# Altium PCB controller_V1.3.1.PcbDoc (part 5 of 7)
Units mm, origin at the board's own origin, x right, y up, seen from the top; angles counter-clockwise.
Board outline 244 x 150 mm, 2 copper layers (Top Layer, Bottom Layer), stack 1.98 mm thick; 438 components, 367 nets, 1493 pads, 9629 vias.
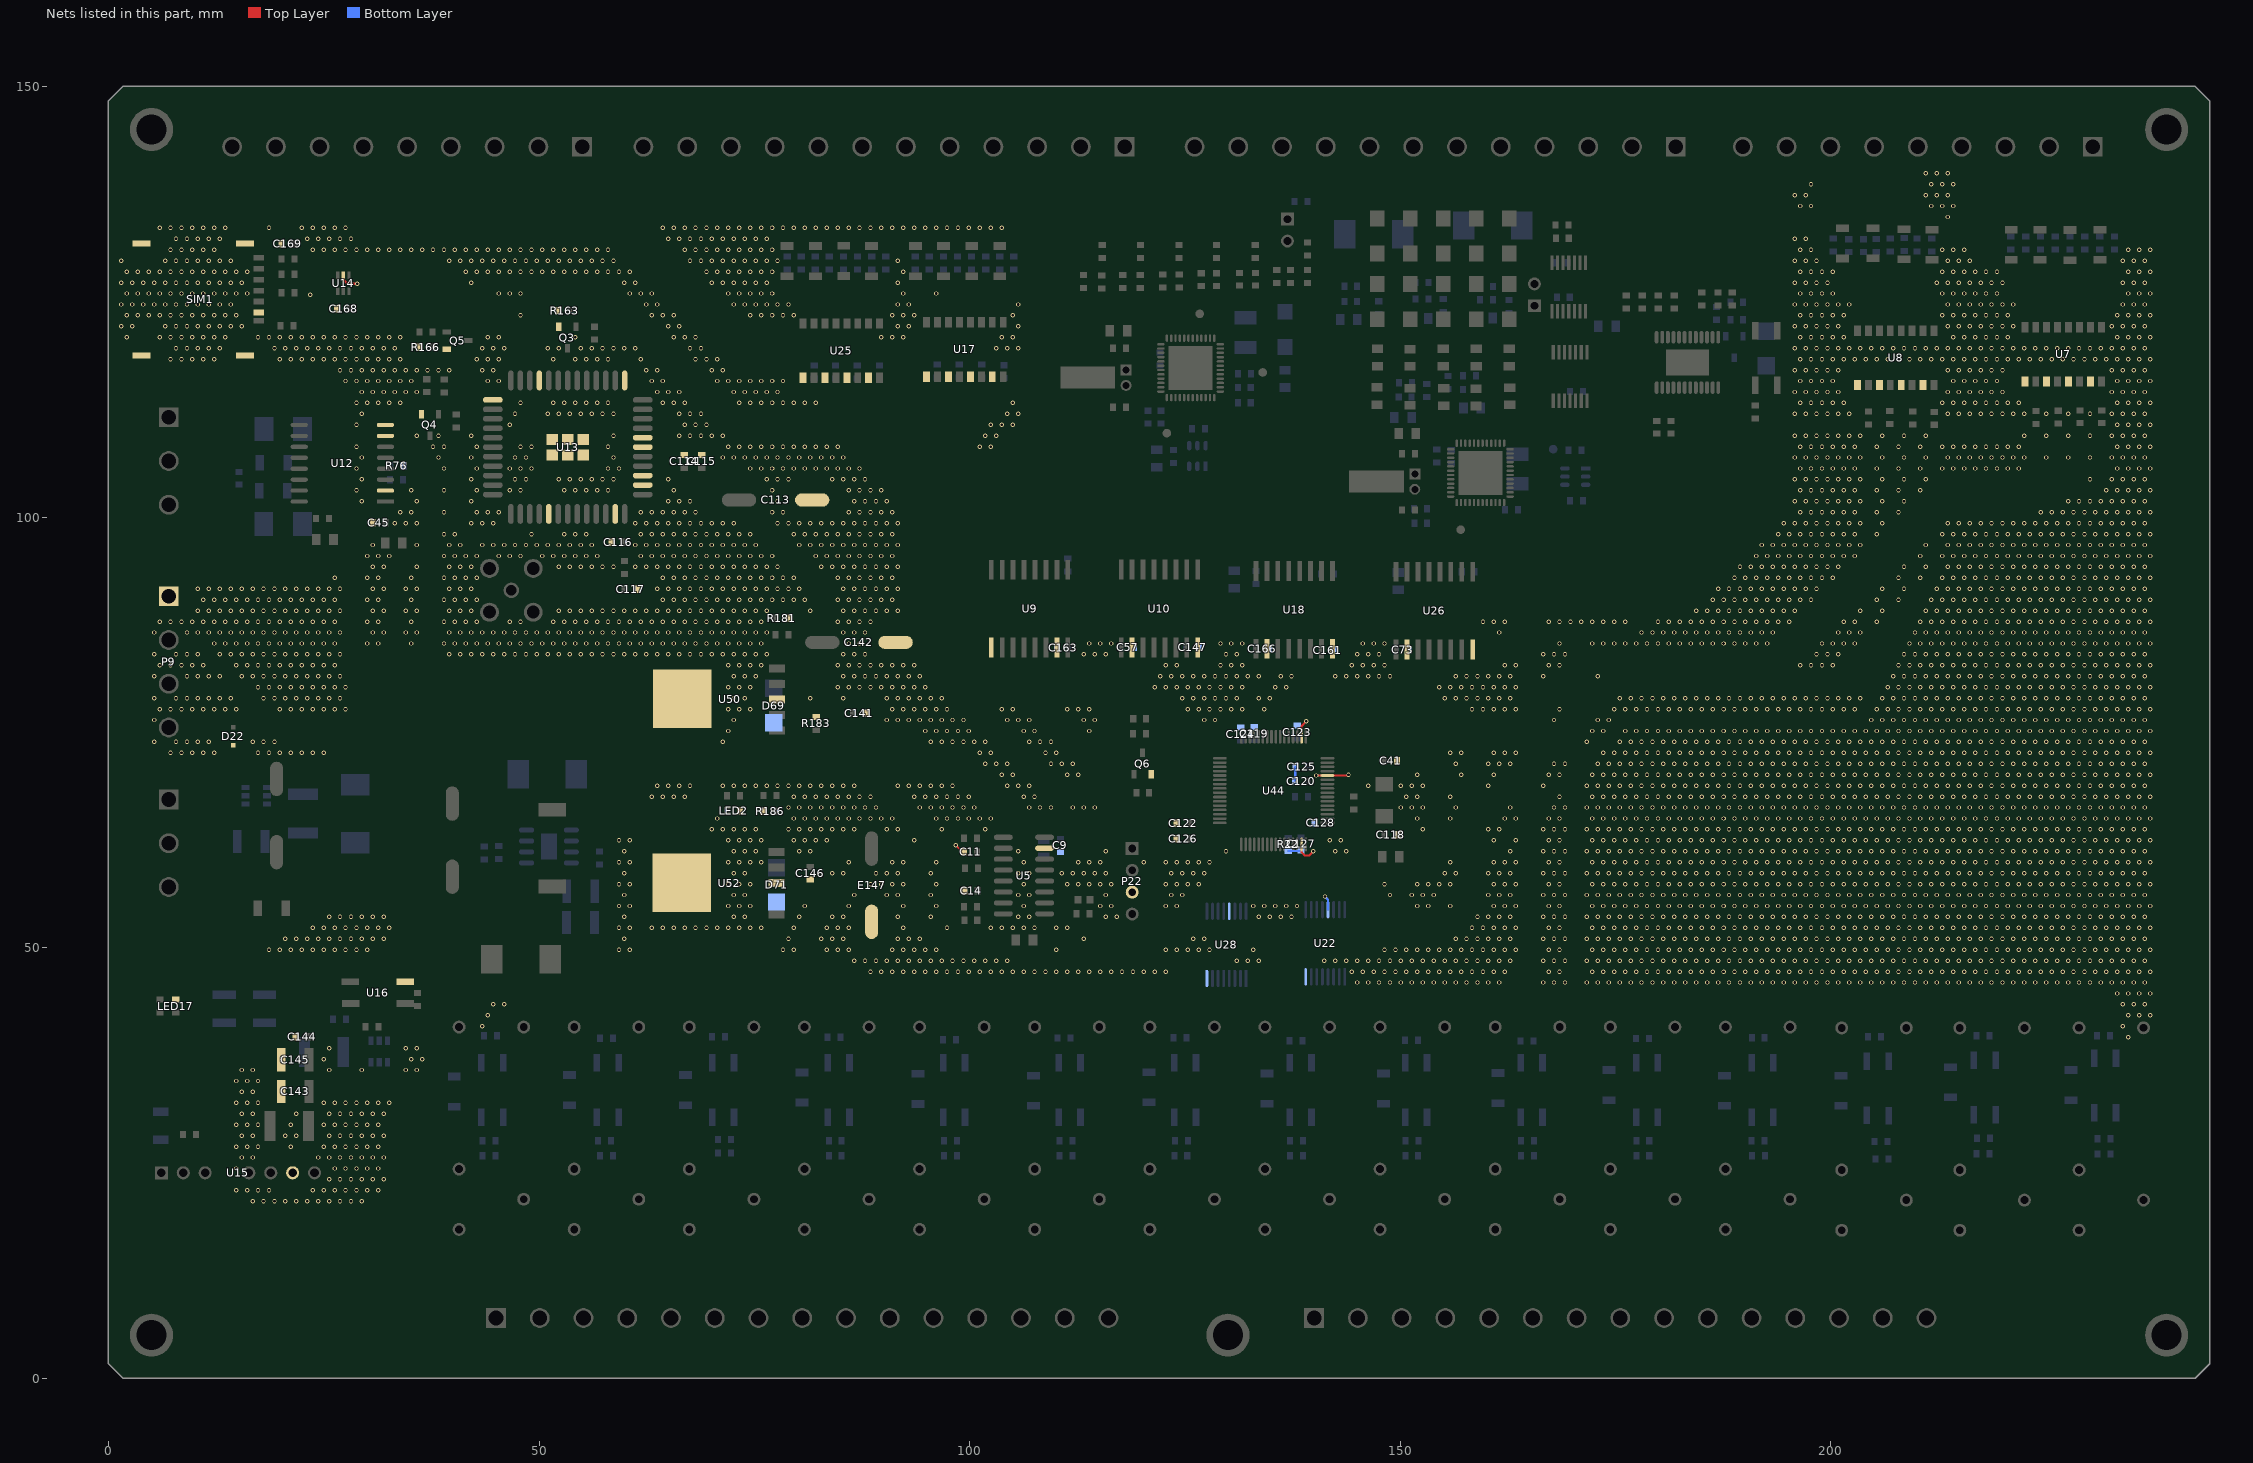
[diagram p5: the nets of this part, all layers, seen from the top]

## Via types
v1: diameter 0.508, hole 0.305, Top Layer to Bottom Layer, 9222 vias
v2: diameter 0.508, hole 0.305, Top Layer to Bottom Layer, tented both sides, 294 vias
v3: diameter 0.6, hole 0.3, Top Layer to Bottom Layer, 50 vias
v4: diameter 1.016, hole 0.635, Top Layer to Bottom Layer, tented both sides, 39 vias
v5: diameter 0.762, hole 0.508, Top Layer to Bottom Layer, tented both sides, 16 vias
v6: diameter 1.524, hole 1.016, Top Layer to Bottom Layer, tented both sides, 7 vias
v7: diameter 1.5, hole 1, Top Layer to Bottom Layer, 1 vias

## Nets (pads, with @x,y where several pads share a name; then routed paths per layer and width w, separated by ;. In a path a pad name is that pad's centre, name@x,y a point inside that pad or via, vN(x,y) a via of type N, cw(c..) or ccw(c..) an arc to the next point about the centre after c; other vN are vias at no path point) (continued)
GND: (continued)
  other v1: 16.732,20.549 18.002,20.549 19.272,20.549 20.542,20.549 21.812,20.549 23.082,20.549 24.352,20.549 25.622,20.549 26.892,20.549 28.162,20.549 29.432,20.549 14.827,21.819 16.097,21.819 17.367,21.819 18.637,21.819 23.717,21.819 24.987,21.819 26.257,21.819 27.527,21.819 28.797,21.819 30.067,21.819 31.337,21.819 25.622,23.089 26.892,23.089 28.162,23.089 29.432,23.089 30.702,23.089 31.972,23.089 14.827,24.359 26.257,24.359 27.527,24.359 28.797,24.359 30.067,24.359 31.337,24.359 15.462,25.629 16.732,25.629 24.352,25.629 25.622,25.629 26.892,25.629 28.162,25.629 29.432,25.629 30.702,25.629 31.972,25.629 14.827,26.899 16.097,26.899 17.367,26.899 21.177,26.899 24.987,26.899 26.257,26.899 27.527,26.899 28.797,26.899 30.067,26.899 31.337,26.899 15.462,28.169 16.732,28.169 20.542,28.169 21.812,28.169 25.622,28.169 26.892,28.169 28.162,28.169 29.432,28.169 30.702,28.169 31.972,28.169 14.827,29.439 16.097,29.439 17.367,29.439 21.177,29.439 24.987,29.439 26.257,29.439 27.527,29.439 28.797,29.439 30.067,29.439 31.337,29.439 15.462,30.709 16.732,30.709 21.812,30.709 25.622,30.709 26.892,30.709 28.162,30.709 29.432,30.709 30.702,30.709 31.972,30.709 14.827,31.979 16.097,31.979 17.367,31.979 24.987,31.979 26.257,31.979 27.527,31.979 28.797,31.979 30.067,31.979 31.337,31.979 32.607,31.979 15.462,33.249 16.732,33.249 14.827,34.519 16.097,34.519 17.367,34.519 15.462,35.789 16.732,35.789 25.622,35.789 29.432,35.789 34.512,35.789 35.782,35.789 24.987,37.059 35.147,37.059 36.417,37.059 25.622,38.329 34.512,38.329 35.782,38.329 234.537,39.599 43.402,40.869 233.902,40.869 44.037,42.139 234.537,42.139 235.807,42.139 237.077,42.139 44.672,43.409 45.942,43.409 233.902,43.409 235.172,43.409 236.442,43.409 233.267,44.679 234.537,44.679 235.807,44.679 237.077,44.679 145.002,45.949 146.272,45.949 147.542,45.949 148.812,45.949 150.082,45.949 151.352,45.949 152.622,45.949 153.892,45.949 155.162,45.949 156.432,45.949 157.702,45.949 158.972,45.949 160.242,45.949 161.512,45.949 166.592,45.949 167.862,45.949 169.132,45.949 171.672,45.949 172.942,45.949 174.212,45.949 175.482,45.949 176.752,45.949 178.022,45.949 179.292,45.949 180.562,45.949 181.832,45.949 183.102,45.949 184.372,45.949 185.642,45.949 186.912,45.949 188.182,45.949 189.452,45.949 190.722,45.949 191.992,45.949 193.262,45.949 194.532,45.949 195.802,45.949 197.072,45.949 198.342,45.949 199.612,45.949 200.882,45.949 202.152,45.949 203.422,45.949 204.692,45.949 205.962,45.949 207.232,45.949 208.502,45.949 209.772,45.949 211.042,45.949 212.312,45.949 213.582,45.949 214.852,45.949 216.122,45.949 217.392,45.949 218.662,45.949 219.932,45.949 221.202,45.949 222.472,45.949 223.742,45.949 225.012,45.949 226.282,45.949 227.552,45.949 228.822,45.949 230.092,45.949 231.362,45.949 232.632,45.949 233.902,45.949 235.172,45.949 236.442,45.949 88.487,47.219 89.757,47.219 91.027,47.219 92.297,47.219 93.567,47.219 94.837,47.219 96.107,47.219 97.377,47.219 98.647,47.219 99.917,47.219 101.187,47.219 102.457,47.219 103.727,47.219 104.997,47.219 106.267,47.219 107.537,47.219 108.807,47.219 110.077,47.219 111.347,47.219 112.617,47.219 113.887,47.219 115.157,47.219 116.427,47.219 117.697,47.219 118.967,47.219 120.237,47.219 121.507,47.219 122.777,47.219 144.367,47.219 145.637,47.219 146.907,47.219 148.177,47.219 149.447,47.219 150.717,47.219 151.987,47.219 153.257,47.219 154.527,47.219 155.797,47.219 157.067,47.219 158.337,47.219 159.607,47.219 160.877,47.219 162.147,47.219 167.227,47.219 168.497,47.219 172.307,47.219 173.577,47.219 174.847,47.219 176.117,47.219 177.387,47.219 178.657,47.219 179.927,47.219 181.197,47.219 182.467,47.219 183.737,47.219 185.007,47.219 186.277,47.219 187.547,47.219 188.817,47.219 190.087,47.219 191.357,47.219 192.627,47.219 193.897,47.219 195.167,47.219 196.437,47.219 197.707,47.219 198.977,47.219 200.247,47.219 201.517,47.219 202.787,47.219 204.057,47.219 205.327,47.219 206.597,47.219 207.867,47.219 209.137,47.219 210.407,47.219 211.677,47.219 212.947,47.219 214.217,47.219 215.487,47.219 216.757,47.219 218.027,47.219 219.297,47.219 220.567,47.219 221.837,47.219 223.107,47.219 224.377,47.219 225.647,47.219 226.917,47.219 228.187,47.219 229.457,47.219 230.727,47.219 231.997,47.219 233.267,47.219 234.537,47.219 235.807,47.219 237.077,47.219 86.582,48.489 87.852,48.489 89.122,48.489 90.392,48.489 91.662,48.489 92.932,48.489 94.202,48.489 95.472,48.489 96.742,48.489 98.012,48.489 99.282,48.489 100.552,48.489 101.822,48.489 103.092,48.489 104.362,48.489 131.032,48.489 132.302,48.489 133.572,48.489 141.192,48.489 142.462,48.489 143.732,48.489 145.002,48.489 146.272,48.489 147.542,48.489 148.812,48.489 150.082,48.489 151.352,48.489 152.622,48.489 153.892,48.489 155.162,48.489 156.432,48.489 157.702,48.489 158.972,48.489 160.242,48.489 161.512,48.489 162.782,48.489 166.592,48.489 167.862,48.489 169.132,48.489 171.672,48.489 172.942,48.489 174.212,48.489 175.482,48.489 176.752,48.489 178.022,48.489 179.292,48.489 180.562,48.489 181.832,48.489 183.102,48.489 184.372,48.489 185.642,48.489 186.912,48.489 188.182,48.489 189.452,48.489 190.722,48.489 191.992,48.489 193.262,48.489 194.532,48.489 195.802,48.489 197.072,48.489 198.342,48.489 199.612,48.489 200.882,48.489 202.152,48.489 203.422,48.489 204.692,48.489 205.962,48.489 207.232,48.489 208.502,48.489 209.772,48.489 211.042,48.489 212.312,48.489 213.582,48.489 214.852,48.489 216.122,48.489 217.392,48.489 218.662,48.489 219.932,48.489 221.202,48.489 222.472,48.489 223.742,48.489 225.012,48.489 226.282,48.489 227.552,48.489 228.822,48.489 230.092,48.489 231.362,48.489 232.632,48.489 233.902,48.489 235.172,48.489 236.442,48.489 18.637,49.759 19.907,49.759 21.177,49.759 22.447,49.759 23.717,49.759 24.987,49.759 26.257,49.759 27.527,49.759 28.797,49.759 30.067,49.759 59.277,49.759 60.547,49.759 78.327,49.759 79.597,49.759 83.407,49.759 84.677,49.759 85.947,49.759 91.027,49.759 92.297,49.759 93.567,49.759 94.837,49.759 96.107,49.759 110.077,49.759 122.777,49.759 124.047,49.759 125.317,49.759 126.587,49.759 127.857,49.759 132.937,49.759 148.177,49.759 149.447,49.759 150.717,49.759 151.987,49.759 153.257,49.759 154.527,49.759 155.797,49.759 157.067,49.759 158.337,49.759 159.607,49.759 160.877,49.759 162.147,49.759 163.417,49.759 167.227,49.759 168.497,49.759 172.307,49.759 173.577,49.759 174.847,49.759 176.117,49.759 177.387,49.759 178.657,49.759 179.927,49.759 181.197,49.759 182.467,49.759 183.737,49.759 185.007,49.759 186.277,49.759 187.547,49.759 188.817,49.759 190.087,49.759 191.357,49.759 192.627,49.759 193.897,49.759 195.167,49.759 196.437,49.759 197.707,49.759 198.977,49.759 200.247,49.759 201.517,49.759 202.787,49.759 204.057,49.759 205.327,49.759 206.597,49.759 207.867,49.759 209.137,49.759 210.407,49.759 211.677,49.759 212.947,49.759 214.217,49.759 215.487,49.759 216.757,49.759 218.027,49.759 219.297,49.759 220.567,49.759 221.837,49.759 223.107,49.759 224.377,49.759 225.647,49.759 226.917,49.759 228.187,49.759 229.457,49.759 230.727,49.759 231.997,49.759 233.267,49.759 234.537,49.759 235.807,49.759 237.077,49.759 20.542,51.029 21.812,51.029 23.082,51.029 24.352,51.029 25.622,51.029 26.892,51.029 28.162,51.029 29.432,51.029 30.702,51.029 31.972,51.029 59.912,51.029 78.962,51.029 82.772,51.029 84.042,51.029 85.312,51.029 91.662,51.029 92.932,51.029 94.202,51.029 113.252,51.029 125.952,51.029 127.222,51.029 156.432,51.029 157.702,51.029 158.972,51.029 160.242,51.029 161.512,51.029 162.782,51.029 166.592,51.029 167.862,51.029 169.132,51.029 171.672,51.029 172.942,51.029 174.212,51.029 175.482,51.029 176.752,51.029 178.022,51.029 179.292,51.029 180.562,51.029 181.832,51.029 183.102,51.029 184.372,51.029 185.642,51.029 186.912,51.029 188.182,51.029 189.452,51.029 190.722,51.029 191.992,51.029 193.262,51.029 194.532,51.029 195.802,51.029 197.072,51.029 198.342,51.029 199.612,51.029 200.882,51.029 202.152,51.029 203.422,51.029 204.692,51.029 205.962,51.029 207.232,51.029 208.502,51.029 209.772,51.029 211.042,51.029 212.312,51.029 213.582,51.029 214.852,51.029 216.122,51.029 217.392,51.029 218.662,51.029 219.932,51.029 221.202,51.029 222.472,51.029 223.742,51.029 225.012,51.029 226.282,51.029 227.552,51.029 228.822,51.029 230.092,51.029 231.362,51.029 232.632,51.029 233.902,51.029 235.172,51.029 236.442,51.029 23.717,52.299 24.987,52.299 26.257,52.299 27.527,52.299 28.797,52.299 30.067,52.299 31.337,52.299 32.607,52.299 59.277,52.299 60.547,52.299 63.087,52.299 64.357,52.299 65.627,52.299 66.897,52.299 68.167,52.299 69.437,52.299 70.707,52.299 71.977,52.299 73.247,52.299 74.517,52.299 75.787,52.299 79.597,52.299 83.407,52.299 84.677,52.299 85.947,52.299 92.297,52.299 97.377,52.299 102.457,52.299 103.727,52.299 104.997,52.299 106.267,52.299 107.537,52.299 110.077,52.299 111.347,52.299 158.337,52.299 159.607,52.299 160.877,52.299 162.147,52.299 163.417,52.299 167.227,52.299 168.497,52.299 172.307,52.299 173.577,52.299 174.847,52.299 176.117,52.299 177.387,52.299 178.657,52.299 179.927,52.299 181.197,52.299 182.467,52.299 183.737,52.299 185.007,52.299 186.277,52.299 187.547,52.299 188.817,52.299 190.087,52.299 191.357,52.299 192.627,52.299 193.897,52.299 195.167,52.299 196.437,52.299 197.707,52.299 198.977,52.299 200.247,52.299 201.517,52.299 202.787,52.299 204.057,52.299 205.327,52.299 206.597,52.299 207.867,52.299 209.137,52.299 210.407,52.299 211.677,52.299 212.947,52.299 214.217,52.299 215.487,52.299 216.757,52.299 218.027,52.299 219.297,52.299 220.567,52.299 221.837,52.299 223.107,52.299 224.377,52.299 225.647,52.299 226.917,52.299 228.187,52.299 229.457,52.299 230.727,52.299 231.997,52.299 233.267,52.299 234.537,52.299 235.807,52.299 237.077,52.299 25.622,53.569 26.892,53.569 28.162,53.569 29.432,53.569 30.702,53.569 31.972,53.569 59.912,53.569 72.612,53.569 73.882,53.569 80.232,53.569 84.042,53.569 85.312,53.569 91.662,53.569 95.472,53.569 105.632,53.569 106.902,53.569 115.792,53.569 117.062,53.569 133.572,53.569 134.842,53.569 136.112,53.569 137.382,53.569 158.972,53.569 160.242,53.569 161.512,53.569 162.782,53.569 166.592,53.569 167.862,53.569 169.132,53.569 171.672,53.569 172.942,53.569 174.212,53.569 175.482,53.569 176.752,53.569 178.022,53.569 179.292,53.569 180.562,53.569 181.832,53.569 183.102,53.569 184.372,53.569 185.642,53.569 186.912,53.569 188.182,53.569 189.452,53.569 190.722,53.569 191.992,53.569 193.262,53.569 194.532,53.569 195.802,53.569 197.072,53.569 198.342,53.569 199.612,53.569 200.882,53.569 202.152,53.569 203.422,53.569 204.692,53.569 205.962,53.569 207.232,53.569 208.502,53.569 209.772,53.569 211.042,53.569 212.312,53.569 213.582,53.569 214.852,53.569 216.122,53.569 217.392,53.569 218.662,53.569 219.932,53.569 221.202,53.569 222.472,53.569 223.742,53.569 225.012,53.569 226.282,53.569 227.552,53.569 228.822,53.569 230.092,53.569 231.362,53.569 232.632,53.569 233.902,53.569 235.172,53.569 236.442,53.569 59.277,54.839 60.547,54.839 71.977,54.839 73.247,54.839 74.517,54.839 80.867,54.839 85.947,54.839 92.297,54.839 96.107,54.839 106.267,54.839 115.157,54.839 116.427,54.839 122.777,54.839 124.047,54.839 132.937,54.839 134.207,54.839 135.477,54.839 136.747,54.839 138.017,54.839 151.987,54.839 153.257,54.839 155.797,54.839 160.877,54.839 162.147,54.839 163.417,54.839 167.227,54.839 168.497,54.839 172.307,54.839 173.577,54.839 174.847,54.839 176.117,54.839 177.387,54.839 178.657,54.839 179.927,54.839 181.197,54.839 182.467,54.839 183.737,54.839 185.007,54.839 186.277,54.839 187.547,54.839 188.817,54.839 190.087,54.839 191.357,54.839 192.627,54.839 193.897,54.839 195.167,54.839 196.437,54.839 197.707,54.839 198.977,54.839 200.247,54.839 201.517,54.839 202.787,54.839 204.057,54.839 205.327,54.839 206.597,54.839 207.867,54.839 209.137,54.839 210.407,54.839 211.677,54.839 212.947,54.839 214.217,54.839 215.487,54.839 216.757,54.839 218.027,54.839 219.297,54.839 220.567,54.839 221.837,54.839 223.107,54.839 224.377,54.839 225.647,54.839 226.917,54.839 228.187,54.839 229.457,54.839 230.727,54.839 231.997,54.839 233.267,54.839 234.537,54.839 235.807,54.839 237.077,54.839 59.912,56.109 72.612,56.109 73.882,56.109 86.582,56.109 90.392,56.109 91.662,56.109 95.472,56.109 105.632,56.109 106.902,56.109 115.792,56.109 123.412,56.109 124.682,56.109 148.812,56.109 151.352,56.109 152.622,56.109 153.892,56.109 160.242,56.109 161.512,56.109 162.782,56.109 166.592,56.109 167.862,56.109 169.132,56.109 171.672,56.109 172.942,56.109 174.212,56.109 175.482,56.109 176.752,56.109 178.022,56.109 179.292,56.109 180.562,56.109 181.832,56.109 183.102,56.109 184.372,56.109 185.642,56.109 186.912,56.109 188.182,56.109 189.452,56.109 190.722,56.109 191.992,56.109 193.262,56.109 194.532,56.109 195.802,56.109 197.072,56.109 198.342,56.109 199.612,56.109 200.882,56.109 202.152,56.109 203.422,56.109 204.692,56.109 205.962,56.109 207.232,56.109 208.502,56.109 209.772,56.109 211.042,56.109 212.312,56.109 213.582,56.109 214.852,56.109 216.122,56.109 217.392,56.109 218.662,56.109 219.932,56.109 221.202,56.109 222.472,56.109 223.742,56.109 225.012,56.109 226.282,56.109 227.552,56.109 228.822,56.109 230.092,56.109 231.362,56.109 232.632,56.109 233.902,56.109 235.172,56.109 236.442,56.109 59.277,57.379 60.547,57.379 71.977,57.379 73.247,57.379 74.517,57.379 88.487,57.379 89.757,57.379 91.027,57.379 92.297,57.379 96.107,57.379 106.267,57.379 111.347,57.379 112.617,57.379 113.887,57.379 115.157,57.379 116.427,57.379 122.777,57.379 124.047,57.379 125.317,57.379 126.587,57.379 148.177,57.379 151.987,57.379 153.257,57.379 154.527,57.379 155.797,57.379 160.877,57.379 162.147,57.379 163.417,57.379 167.227,57.379 168.497,57.379 172.307,57.379 173.577,57.379 174.847,57.379 176.117,57.379 177.387,57.379 178.657,57.379 179.927,57.379 181.197,57.379 182.467,57.379 183.737,57.379 185.007,57.379 186.277,57.379 187.547,57.379 188.817,57.379 190.087,57.379 191.357,57.379 192.627,57.379 193.897,57.379 195.167,57.379 196.437,57.379 197.707,57.379 198.977,57.379 200.247,57.379 201.517,57.379 202.787,57.379 204.057,57.379 205.327,57.379 206.597,57.379 207.867,57.379 209.137,57.379 210.407,57.379 211.677,57.379 212.947,57.379 214.217,57.379 215.487,57.379 216.757,57.379 218.027,57.379 219.297,57.379 220.567,57.379 221.837,57.379 223.107,57.379 224.377,57.379 225.647,57.379 226.917,57.379 228.187,57.379 229.457,57.379 230.727,57.379 231.997,57.379 233.267,57.379 234.537,57.379 235.807,57.379 237.077,57.379 59.912,58.649 72.612,58.649 73.882,58.649 84.042,58.649 85.312,58.649 89.122,58.649 90.392,58.649 91.662,58.649 95.472,58.649 105.632,58.649 106.902,58.649 110.712,58.649 111.982,58.649 113.252,58.649 114.522,58.649 115.792,58.649 123.412,58.649 124.682,58.649 125.952,58.649 127.222,58.649 155.162,58.649 156.432,58.649 160.242,58.649 161.512,58.649 162.782,58.649 166.592,58.649 167.862,58.649 169.132,58.649 171.672,58.649 172.942,58.649 174.212,58.649 175.482,58.649 176.752,58.649 178.022,58.649 179.292,58.649 180.562,58.649 181.832,58.649 183.102,58.649 184.372,58.649 185.642,58.649 186.912,58.649 188.182,58.649 189.452,58.649 190.722,58.649 191.992,58.649 193.262,58.649 194.532,58.649 195.802,58.649 197.072,58.649 198.342,58.649 199.612,58.649 200.882,58.649 202.152,58.649 203.422,58.649 204.692,58.649 205.962,58.649 207.232,58.649 208.502,58.649 209.772,58.649 211.042,58.649 212.312,58.649 213.582,58.649 214.852,58.649 216.122,58.649 217.392,58.649 218.662,58.649 219.932,58.649 221.202,58.649 222.472,58.649 223.742,58.649 225.012,58.649 226.282,58.649 227.552,58.649 228.822,58.649 230.092,58.649 231.362,58.649 232.632,58.649 233.902,58.649 235.172,58.649 236.442,58.649 59.277,59.919 60.547,59.919 71.977,59.919 73.247,59.919 74.517,59.919 75.787,59.919 85.947,59.919 91.027,59.919 92.297,59.919 96.107,59.919 106.267,59.919 112.617,59.919 113.887,59.919 115.157,59.919 120.237,59.919 122.777,59.919 124.047,59.919 125.317,59.919 126.587,59.919 127.857,59.919 155.797,59.919 160.877,59.919 162.147,59.919 163.417,59.919 167.227,59.919 168.497,59.919 172.307,59.919 173.577,59.919 174.847,59.919 176.117,59.919 177.387,59.919 178.657,59.919 179.927,59.919 181.197,59.919 182.467,59.919 183.737,59.919 185.007,59.919 186.277,59.919 187.547,59.919 188.817,59.919 190.087,59.919 191.357,59.919 192.627,59.919 193.897,59.919 195.167,59.919 196.437,59.919 197.707,59.919 198.977,59.919 200.247,59.919 201.517,59.919 202.787,59.919 204.057,59.919 205.327,59.919 206.597,59.919 207.867,59.919 209.137,59.919 210.407,59.919 211.677,59.919 212.947,59.919 214.217,59.919 215.487,59.919 216.757,59.919 218.027,59.919 219.297,59.919 220.567,59.919 221.837,59.919 223.107,59.919 224.377,59.919 225.647,59.919 226.917,59.919 228.187,59.919 229.457,59.919 230.727,59.919 231.997,59.919 233.267,59.919 234.537,59.919 235.807,59.919 237.077,59.919 59.912,61.189 72.612,61.189 73.882,61.189 75.152,61.189 80.232,61.189 81.502,61.189 105.632,61.189 115.792,61.189 129.762,61.189 142.462,61.189 143.732,61.189 162.782,61.189 166.592,61.189 167.862,61.189 169.132,61.189 171.672,61.189 172.942,61.189 174.212,61.189 175.482,61.189 176.752,61.189 178.022,61.189 179.292,61.189 180.562,61.189 181.832,61.189 183.102,61.189 184.372,61.189 185.642,61.189 186.912,61.189 188.182,61.189 189.452,61.189 190.722,61.189 191.992,61.189 193.262,61.189 194.532,61.189 195.802,61.189 197.072,61.189 198.342,61.189 199.612,61.189 200.882,61.189 202.152,61.189 203.422,61.189 204.692,61.189 205.962,61.189 207.232,61.189 208.502,61.189 209.772,61.189 211.042,61.189 212.312,61.189 213.582,61.189 214.852,61.189 216.122,61.189 217.392,61.189 218.662,61.189 219.932,61.189 221.202,61.189 222.472,61.189 223.742,61.189 225.012,61.189 226.282,61.189 227.552,61.189 228.822,61.189 230.092,61.189 231.362,61.189 232.632,61.189 233.902,61.189 235.172,61.189 236.442,61.189 59.277,62.459 60.547,62.459 71.977,62.459 73.247,62.459 74.517,62.459 75.787,62.459 79.597,62.459 80.867,62.459 82.137,62.459 83.407,62.459 93.567,62.459 141.827,62.459 143.097,62.459 160.877,62.459 163.417,62.459 167.227,62.459 168.497,62.459 172.307,62.459 173.577,62.459 174.847,62.459 176.117,62.459 177.387,62.459 178.657,62.459 179.927,62.459 181.197,62.459 182.467,62.459 183.737,62.459 185.007,62.459 186.277,62.459 187.547,62.459 188.817,62.459 190.087,62.459 191.357,62.459 192.627,62.459 193.897,62.459 195.167,62.459 196.437,62.459 197.707,62.459 198.977,62.459 200.247,62.459 201.517,62.459 202.787,62.459 204.057,62.459 205.327,62.459 206.597,62.459 207.867,62.459 209.137,62.459 210.407,62.459 211.677,62.459 212.947,62.459 214.217,62.459 215.487,62.459 216.757,62.459 218.027,62.459 219.297,62.459 220.567,62.459 221.837,62.459 223.107,62.459 224.377,62.459 225.647,62.459 226.917,62.459 228.187,62.459 229.457,62.459 230.727,62.459 231.997,62.459 233.267,62.459 234.537,62.459 235.807,62.459 237.077,62.459 70.072,63.729 71.342,63.729 72.612,63.729 73.882,63.729 75.152,63.729 78.962,63.729 80.232,63.729 81.502,63.729 82.772,63.729 84.042,63.729 85.312,63.729 86.582,63.729 90.392,63.729 91.662,63.729 96.742,63.729 101.822,63.729 152.622,63.729 160.242,63.729 161.512,63.729 166.592,63.729 167.862,63.729 169.132,63.729 171.672,63.729 172.942,63.729 174.212,63.729 175.482,63.729 176.752,63.729 178.022,63.729 179.292,63.729 180.562,63.729 181.832,63.729 183.102,63.729 184.372,63.729 185.642,63.729 186.912,63.729 188.182,63.729 189.452,63.729 190.722,63.729 191.992,63.729 193.262,63.729 194.532,63.729 195.802,63.729 197.072,63.729 198.342,63.729 199.612,63.729 200.882,63.729 202.152,63.729 203.422,63.729 204.692,63.729 205.962,63.729 207.232,63.729 208.502,63.729 209.772,63.729 211.042,63.729 212.312,63.729 213.582,63.729 214.852,63.729 216.122,63.729 217.392,63.729 218.662,63.729 219.932,63.729 221.202,63.729 222.472,63.729 223.742,63.729 225.012,63.729 226.282,63.729 227.552,63.729 228.822,63.729 230.092,63.729 231.362,63.729 232.632,63.729 233.902,63.729 235.172,63.729 236.442,63.729 70.707,64.999 79.597,64.999 80.867,64.999 82.137,64.999 83.407,64.999 84.677,64.999 85.947,64.999 87.217,64.999 88.487,64.999 89.757,64.999 91.027,64.999 96.107,64.999 97.377,64.999 98.647,64.999 99.917,64.999 101.187,64.999 102.457,64.999 151.987,64.999 155.797,64.999 162.147,64.999 163.417,64.999 167.227,64.999 168.497,64.999 172.307,64.999 173.577,64.999 174.847,64.999 176.117,64.999 177.387,64.999 178.657,64.999 179.927,64.999 181.197,64.999 182.467,64.999 183.737,64.999 185.007,64.999 186.277,64.999 187.547,64.999 188.817,64.999 190.087,64.999 191.357,64.999 192.627,64.999 193.897,64.999 195.167,64.999 196.437,64.999 197.707,64.999 198.977,64.999 200.247,64.999 201.517,64.999 202.787,64.999 204.057,64.999 205.327,64.999 206.597,64.999 207.867,64.999 209.137,64.999 210.407,64.999 211.677,64.999 212.947,64.999 214.217,64.999 215.487,64.999 216.757,64.999 218.027,64.999 219.297,64.999 220.567,64.999 221.837,64.999 223.107,64.999 224.377,64.999 225.647,64.999 226.917,64.999 228.187,64.999 229.457,64.999 230.727,64.999 231.997,64.999 233.267,64.999 234.537,64.999 235.807,64.999 237.077,64.999 78.962,66.269 80.232,66.269 81.502,66.269 82.772,66.269 84.042,66.269 85.312,66.269 86.582,66.269 87.852,66.269 89.122,66.269 94.202,66.269 95.472,66.269 96.742,66.269 98.012,66.269 99.282,66.269 100.552,66.269 106.902,66.269 108.172,66.269 109.442,66.269 111.982,66.269 113.252,66.269 114.522,66.269 150.082,66.269 151.352,66.269 152.622,66.269 156.432,66.269 162.782,66.269 167.862,66.269 169.132,66.269 171.672,66.269 172.942,66.269 174.212,66.269 175.482,66.269 176.752,66.269 178.022,66.269 179.292,66.269 180.562,66.269 181.832,66.269 183.102,66.269 184.372,66.269 185.642,66.269 186.912,66.269 188.182,66.269 189.452,66.269 190.722,66.269 191.992,66.269 193.262,66.269 194.532,66.269 195.802,66.269 197.072,66.269 198.342,66.269 199.612,66.269 200.882,66.269 202.152,66.269 203.422,66.269 204.692,66.269 205.962,66.269 207.232,66.269 208.502,66.269 209.772,66.269 211.042,66.269 212.312,66.269 213.582,66.269 214.852,66.269 216.122,66.269 217.392,66.269 218.662,66.269 219.932,66.269 221.202,66.269 222.472,66.269 223.742,66.269 225.012,66.269 226.282,66.269 227.552,66.269 228.822,66.269 230.092,66.269 231.362,66.269 232.632,66.269 233.902,66.269 235.172,66.269 236.442,66.269 63.087,67.539 64.357,67.539 65.627,67.539 66.897,67.539 79.597,67.539 80.867,67.539 82.137,67.539 83.407,67.539 84.677,67.539 85.947,67.539 87.217,67.539 88.487,67.539 93.567,67.539 94.837,67.539 96.107,67.539 97.377,67.539 98.647,67.539 99.917,67.539 106.267,67.539 107.537,67.539 150.717,67.539 151.987,67.539 155.797,67.539 168.497,67.539 172.307,67.539 173.577,67.539 174.847,67.539 176.117,67.539 177.387,67.539 178.657,67.539 179.927,67.539 181.197,67.539 182.467,67.539 183.737,67.539 185.007,67.539 186.277,67.539 187.547,67.539 188.817,67.539 190.087,67.539 191.357,67.539 192.627,67.539 193.897,67.539 195.167,67.539 196.437,67.539 197.707,67.539 198.977,67.539 200.247,67.539 201.517,67.539 202.787,67.539 204.057,67.539 205.327,67.539 206.597,67.539 207.867,67.539 209.137,67.539 210.407,67.539 211.677,67.539 212.947,67.539 214.217,67.539 215.487,67.539 216.757,67.539 218.027,67.539 219.297,67.539 220.567,67.539 221.837,67.539 223.107,67.539 224.377,67.539 225.647,67.539 226.917,67.539 228.187,67.539 229.457,67.539 230.727,67.539 231.997,67.539 233.267,67.539 234.537,67.539 235.807,67.539 237.077,67.539 63.722,68.809 64.992,68.809 66.262,68.809 67.532,68.809 71.342,68.809 72.612,68.809 73.882,68.809 75.152,68.809 76.422,68.809 77.692,68.809 78.962,68.809 80.232,68.809 81.502,68.809 82.772,68.809 84.042,68.809 85.312,68.809 86.582,68.809 91.662,68.809 92.932,68.809 94.202,68.809 95.472,68.809 96.742,68.809 98.012,68.809 104.362,68.809 105.632,68.809 106.902,68.809 146.272,68.809 150.082,68.809 151.352,68.809 152.622,68.809 160.242,68.809 166.592,68.809 171.672,68.809 172.942,68.809 174.212,68.809 175.482,68.809 176.752,68.809 178.022,68.809 179.292,68.809 180.562,68.809 181.832,68.809 183.102,68.809 184.372,68.809 185.642,68.809 186.912,68.809 188.182,68.809 189.452,68.809 190.722,68.809 191.992,68.809 193.262,68.809 194.532,68.809 195.802,68.809 197.072,68.809 198.342,68.809 199.612,68.809 200.882,68.809 202.152,68.809 203.422,68.809 204.692,68.809 205.962,68.809 207.232,68.809 208.502,68.809 209.772,68.809 211.042,68.809 212.312,68.809 213.582,68.809 214.852,68.809 216.122,68.809 217.392,68.809 218.662,68.809 219.932,68.809 221.202,68.809 222.472,68.809 223.742,68.809 225.012,68.809 226.282,68.809 227.552,68.809 228.822,68.809 230.092,68.809 231.362,68.809 232.632,68.809 233.902,68.809 235.172,68.809 236.442,68.809 103.727,70.079 104.997,70.079 111.347,70.079 112.617,70.079 151.987,70.079 157.067,70.079 160.877,70.079 167.227,70.079 168.497,70.079 172.307,70.079 173.577,70.079 174.847,70.079 176.117,70.079 177.387,70.079 178.657,70.079 179.927,70.079 181.197,70.079 182.467,70.079 183.737,70.079 185.007,70.079 186.277,70.079 187.547,70.079 188.817,70.079 190.087,70.079 191.357,70.079 192.627,70.079 193.897,70.079 195.167,70.079 196.437,70.079 197.707,70.079 198.977,70.079 200.247,70.079 201.517,70.079 202.787,70.079 204.057,70.079 205.327,70.079 206.597,70.079 207.867,70.079 209.137,70.079 210.407,70.079 211.677,70.079 212.947,70.079 214.217,70.079 215.487,70.079 216.757,70.079 218.027,70.079 219.297,70.079 220.567,70.079 221.837,70.079 223.107,70.079 224.377,70.079 225.647,70.079 226.917,70.079 228.187,70.079 229.457,70.079 230.727,70.079 231.997,70.079 233.267,70.079 234.537,70.079 235.807,70.079 237.077,70.079 101.822,71.349 103.092,71.349 104.362,71.349 109.442,71.349 110.712,71.349 111.982,71.349 156.432,71.349 160.242,71.349 161.512,71.349 162.782,71.349 167.862,71.349 169.132,71.349 172.942,71.349 174.212,71.349 175.482,71.349 176.752,71.349 178.022,71.349 179.292,71.349 180.562,71.349 181.832,71.349 183.102,71.349 184.372,71.349 185.642,71.349 186.912,71.349 188.182,71.349 189.452,71.349 190.722,71.349 191.992,71.349 193.262,71.349 194.532,71.349 195.802,71.349 197.072,71.349 198.342,71.349 199.612,71.349 200.882,71.349 202.152,71.349 203.422,71.349 204.692,71.349 205.962,71.349 207.232,71.349 208.502,71.349 209.772,71.349 211.042,71.349 212.312,71.349 213.582,71.349 214.852,71.349 216.122,71.349 217.392,71.349 218.662,71.349 219.932,71.349 221.202,71.349 222.472,71.349 223.742,71.349 225.012,71.349 226.282,71.349 227.552,71.349 228.822,71.349 230.092,71.349 231.362,71.349 232.632,71.349 233.902,71.349 235.172,71.349 236.442,71.349 7.207,72.619 8.477,72.619 9.747,72.619 11.017,72.619 12.287,72.619 17.367,72.619 18.637,72.619 19.907,72.619 21.177,72.619 22.447,72.619 23.717,72.619 24.987,72.619 101.187,72.619 102.457,72.619 108.807,72.619 110.077,72.619 155.797,72.619 157.067,72.619 160.877,72.619 162.147,72.619 163.417,72.619 173.577,72.619 174.847,72.619 176.117,72.619 177.387,72.619 178.657,72.619 179.927,72.619 181.197,72.619 182.467,72.619 183.737,72.619 185.007,72.619 186.277,72.619 187.547,72.619 188.817,72.619 190.087,72.619 191.357,72.619 192.627,72.619 193.897,72.619 195.167,72.619 196.437,72.619 197.707,72.619 198.977,72.619 200.247,72.619 201.517,72.619 202.787,72.619 204.057,72.619 205.327,72.619 206.597,72.619 207.867,72.619 209.137,72.619 210.407,72.619 211.677,72.619 212.947,72.619 214.217,72.619 215.487,72.619 216.757,72.619 218.027,72.619 219.297,72.619 220.567,72.619 221.837,72.619 223.107,72.619 224.377,72.619 225.647,72.619 226.917,72.619 228.187,72.619 229.457,72.619 230.727,72.619 231.997,72.619 233.267,72.619 234.537,72.619 235.807,72.619 237.077,72.619 5.302,73.889 7.842,73.889 9.112,73.889 10.382,73.889 11.652,73.889 16.732,73.889 18.002,73.889 19.272,73.889 71.342,73.889 95.472,73.889 96.742,73.889 98.012,73.889 99.282,73.889 100.552,73.889 101.822,73.889 106.902,73.889 108.172,73.889 109.442,73.889 171.672,73.889 175.482,73.889 176.752,73.889 178.022,73.889 179.292,73.889 180.562,73.889 181.832,73.889 183.102,73.889 184.372,73.889 185.642,73.889 186.912,73.889 188.182,73.889 189.452,73.889 190.722,73.889 191.992,73.889 193.262,73.889 194.532,73.889 195.802,73.889 197.072,73.889 198.342,73.889 199.612,73.889 200.882,73.889 202.152,73.889 203.422,73.889 204.692,73.889 205.962,73.889 207.232,73.889 208.502,73.889 209.772,73.889 211.042,73.889 212.312,73.889 213.582,73.889 214.852,73.889 216.122,73.889 217.392,73.889 218.662,73.889 219.932,73.889 221.202,73.889 222.472,73.889 223.742,73.889 225.012,73.889 226.282,73.889 227.552,73.889 228.822,73.889 230.092,73.889 231.362,73.889 232.632,73.889 233.902,73.889 235.172,73.889 236.442,73.889 71.977,75.159 94.837,75.159 96.107,75.159 97.377,75.159 98.647,75.159 99.917,75.159 106.267,75.159 107.537,75.159 113.887,75.159 172.307,75.159 173.577,75.159 176.117,75.159 177.387,75.159 178.657,75.159 179.927,75.159 181.197,75.159 182.467,75.159 183.737,75.159 185.007,75.159 186.277,75.159 187.547,75.159 188.817,75.159 190.087,75.159 191.357,75.159 192.627,75.159 193.897,75.159 195.167,75.159 196.437,75.159 197.707,75.159 198.977,75.159 200.247,75.159 201.517,75.159 202.787,75.159 204.057,75.159 205.327,75.159 206.597,75.159 207.867,75.159 209.137,75.159 210.407,75.159 211.677,75.159 212.947,75.159 214.217,75.159 215.487,75.159 216.757,75.159 218.027,75.159 219.297,75.159 220.567,75.159 221.837,75.159 223.107,75.159 224.377,75.159 225.647,75.159 226.917,75.159 228.187,75.159 229.457,75.159 230.727,75.159 231.997,75.159 233.267,75.159 234.537,75.159 235.807,75.159 237.077,75.159 5.302,76.429 72.612,76.429 90.392,76.429 91.662,76.429 92.932,76.429 94.202,76.429 95.472,76.429 96.742,76.429 98.012,76.429 99.282,76.429 104.362,76.429 105.632,76.429 106.902,76.429 113.252,76.429 114.522,76.429 127.222,76.429 128.492,76.429 167.862,76.429 172.942,76.429 174.212,76.429 204.692,76.429 205.962,76.429 207.232,76.429 208.502,76.429 209.772,76.429 211.042,76.429 212.312,76.429 213.582,76.429 214.852,76.429 216.122,76.429 217.392,76.429 218.662,76.429 219.932,76.429 221.202,76.429 222.472,76.429 223.742,76.429 225.012,76.429 226.282,76.429 227.552,76.429 228.822,76.429 230.092,76.429 231.362,76.429 232.632,76.429 233.902,76.429 235.172,76.429 236.442,76.429 5.937,77.699 7.207,77.699 8.477,77.699 9.747,77.699 11.017,77.699 12.287,77.699 13.557,77.699 14.827,77.699 19.907,77.699 21.177,77.699 22.447,77.699 23.717,77.699 24.987,77.699 26.257,77.699 27.527,77.699 71.977,77.699 73.247,77.699 74.517,77.699 91.027,77.699 92.297,77.699 93.567,77.699 94.837,77.699 96.107,77.699 97.377,77.699 103.727,77.699 104.997,77.699 111.347,77.699 112.617,77.699 113.887,77.699 125.317,77.699 126.587,77.699 127.857,77.699 129.127,77.699 130.397,77.699 131.667,77.699 134.207,77.699 158.337,77.699 159.607,77.699 160.877,77.699 162.147,77.699 163.417,77.699 168.497,77.699 174.847,77.699 176.117,77.699 177.387,77.699 178.657,77.699 179.927,77.699 181.197,77.699 182.467,77.699 183.737,77.699 185.007,77.699 186.277,77.699 187.547,77.699 188.817,77.699 190.087,77.699 191.357,77.699 192.627,77.699 193.897,77.699 195.167,77.699 196.437,77.699 197.707,77.699 198.977,77.699 200.247,77.699 201.517,77.699 202.787,77.699 205.327,77.699 206.597,77.699 207.867,77.699 209.137,77.699 210.407,77.699 211.677,77.699 212.947,77.699 214.217,77.699 215.487,77.699 216.757,77.699 218.027,77.699 219.297,77.699 220.567,77.699 221.837,77.699 223.107,77.699 224.377,77.699 225.647,77.699 226.917,77.699 228.187,77.699 229.457,77.699 230.727,77.699 231.997,77.699 233.267,77.699 234.537,77.699 235.807,77.699 237.077,77.699 5.302,78.969 7.842,78.969 9.112,78.969 10.382,78.969 11.652,78.969 12.922,78.969 14.192,78.969 18.002,78.969 19.272,78.969 20.542,78.969 21.812,78.969 23.082,78.969 24.352,78.969 25.622,78.969 26.892,78.969 72.612,78.969 73.882,78.969 81.502,78.969 85.312,78.969 90.392,78.969 91.662,78.969 92.932,78.969 94.202,78.969 95.472,78.969 96.742,78.969 124.682,78.969 125.952,78.969 127.222,78.969 128.492,78.969 129.762,78.969 131.032,78.969 133.572,78.969 134.842,78.969 155.162,78.969 156.432,78.969 157.702,78.969 158.972,78.969 160.242,78.969 161.512,78.969 162.782,78.969 175.482,78.969 176.752,78.969 178.022,78.969 179.292,78.969 180.562,78.969 181.832,78.969 183.102,78.969 184.372,78.969 185.642,78.969 186.912,78.969 188.182,78.969 189.452,78.969 190.722,78.969 191.992,78.969 193.262,78.969 194.532,78.969 195.802,78.969 197.072,78.969 198.342,78.969 199.612,78.969 200.882,78.969 202.152,78.969 203.422,78.969 205.962,78.969 207.232,78.969 208.502,78.969 209.772,78.969 211.042,78.969 212.312,78.969 213.582,78.969 214.852,78.969 216.122,78.969 217.392,78.969 218.662,78.969 219.932,78.969 221.202,78.969 222.472,78.969 223.742,78.969 225.012,78.969 226.282,78.969 227.552,78.969 228.822,78.969 230.092,78.969 231.362,78.969 232.632,78.969 233.902,78.969 235.172,78.969 236.442,78.969 17.367,80.239 18.637,80.239 19.907,80.239 21.177,80.239 22.447,80.239 23.717,80.239 24.987,80.239 26.257,80.239 27.527,80.239 71.977,80.239 73.247,80.239 74.517,80.239 84.677,80.239 85.947,80.239 87.217,80.239 88.487,80.239 89.757,80.239 91.027,80.239 92.297,80.239 93.567,80.239 94.837,80.239 121.507,80.239 122.777,80.239 124.047,80.239 125.317,80.239 126.587,80.239 127.857,80.239 129.127,80.239 130.397,80.239 131.667,80.239 135.477,80.239 136.747,80.239 154.527,80.239 155.797,80.239 157.067,80.239 158.337,80.239 159.607,80.239 160.877,80.239 162.147,80.239 163.417,80.239 206.597,80.239 207.867,80.239 209.137,80.239 210.407,80.239 211.677,80.239 212.947,80.239 214.217,80.239 215.487,80.239 216.757,80.239 218.027,80.239 219.297,80.239 220.567,80.239 221.837,80.239 223.107,80.239 224.377,80.239 225.647,80.239 226.917,80.239 228.187,80.239 229.457,80.239 230.727,80.239 231.997,80.239 233.267,80.239 234.537,80.239 235.807,80.239 237.077,80.239 5.302,81.509 9.112,81.509 10.382,81.509 11.652,81.509 12.922,81.509 15.462,81.509 16.732,81.509 18.002,81.509 19.272,81.509 20.542,81.509 21.812,81.509 23.082,81.509 24.352,81.509 25.622,81.509 26.892,81.509 72.612,81.509 73.882,81.509 75.152,81.509 85.312,81.509 86.582,81.509 87.852,81.509 89.122,81.509 90.392,81.509 91.662,81.509 92.932,81.509 94.202,81.509 122.142,81.509 123.412,81.509 124.682,81.509 125.952,81.509 127.222,81.509 128.492,81.509 129.762,81.509 131.032,81.509 132.302,81.509 133.572,81.509 136.112,81.509 137.382,81.509 142.462,81.509 143.732,81.509 145.002,81.509 146.272,81.509 147.542,81.509 148.812,81.509 156.432,81.509 157.702,81.509 158.972,81.509 160.242,81.509 161.512,81.509 162.782,81.509 166.592,81.509 172.942,81.509 207.232,81.509 208.502,81.509 209.772,81.509 211.042,81.509 212.312,81.509 213.582,81.509 214.852,81.509 216.122,81.509 217.392,81.509 218.662,81.509 219.932,81.509 221.202,81.509 222.472,81.509 223.742,81.509 225.012,81.509 226.282,81.509 227.552,81.509 228.822,81.509 230.092,81.509 231.362,81.509 232.632,81.509 233.902,81.509 235.172,81.509 236.442,81.509 5.937,82.779 7.207,82.779 8.477,82.779 9.747,82.779 11.017,82.779 14.827,82.779 16.097,82.779 17.367,82.779 18.637,82.779 19.907,82.779 21.177,82.779 22.447,82.779 23.717,82.779 24.987,82.779 26.257,82.779 71.977,82.779 73.247,82.779 74.517,82.779 75.787,82.779 84.677,82.779 85.947,82.779 87.217,82.779 88.487,82.779 89.757,82.779 91.027,82.779 92.297,82.779 93.567,82.779 122.777,82.779 124.047,82.779 129.127,82.779 130.397,82.779 131.667,82.779 144.367,82.779 145.637,82.779 146.907,82.779 148.177,82.779 162.147,82.779 163.417,82.779 167.227,82.779 168.497,82.779 196.437,82.779 197.707,82.779 198.977,82.779 200.247,82.779 207.867,82.779 209.137,82.779 210.407,82.779 211.677,82.779 212.947,82.779 214.217,82.779 215.487,82.779 216.757,82.779 218.027,82.779 219.297,82.779 220.567,82.779 221.837,82.779 223.107,82.779 224.377,82.779 225.647,82.779 226.917,82.779 228.187,82.779 229.457,82.779 230.727,82.779 231.997,82.779 233.267,82.779 234.537,82.779 235.807,82.779 237.077,82.779 5.302,84.049 7.842,84.049 9.112,84.049 10.382,84.049 12.922,84.049 14.192,84.049 15.462,84.049 16.732,84.049 18.002,84.049 19.272,84.049 20.542,84.049 21.812,84.049 23.082,84.049 24.352,84.049 25.622,84.049 26.892,84.049 39.592,84.049 40.862,84.049 42.132,84.049 43.402,84.049 44.672,84.049 45.942,84.049 47.212,84.049 48.482,84.049 49.752,84.049 51.022,84.049 52.292,84.049 53.562,84.049 54.832,84.049 56.102,84.049 57.372,84.049 58.642,84.049 59.912,84.049 61.182,84.049 62.452,84.049 63.722,84.049 64.992,84.049 66.262,84.049 67.532,84.049 68.802,84.049 70.072,84.049 71.342,84.049 72.612,84.049 73.882,84.049 75.152,84.049 76.422,84.049 85.312,84.049 86.582,84.049 87.852,84.049 113.252,84.049 114.522,84.049 115.792,84.049 129.762,84.049 131.032,84.049 145.002,84.049 146.272,84.049 147.542,84.049 166.592,84.049 167.862,84.049 169.132,84.049 198.342,84.049 199.612,84.049 200.882,84.049 208.502,84.049 209.772,84.049 211.042,84.049 212.312,84.049 213.582,84.049 214.852,84.049 216.122,84.049 217.392,84.049 218.662,84.049 219.932,84.049 221.202,84.049 222.472,84.049 223.742,84.049 225.012,84.049 226.282,84.049 227.552,84.049 228.822,84.049 230.092,84.049 231.362,84.049 232.632,84.049 233.902,84.049 235.172,84.049 236.442,84.049 12.287,85.319 13.557,85.319 14.827,85.319 16.097,85.319 17.367,85.319 18.637,85.319 19.907,85.319 21.177,85.319 22.447,85.319 23.717,85.319 24.987,85.319 26.257,85.319 30.067,85.319 31.337,85.319 35.147,85.319 38.957,85.319 40.227,85.319 41.497,85.319 42.767,85.319 44.037,85.319 45.307,85.319 46.577,85.319 47.847,85.319 49.117,85.319 50.387,85.319 51.657,85.319 52.927,85.319 54.197,85.319 55.467,85.319 56.737,85.319 58.007,85.319 59.277,85.319 60.547,85.319 61.817,85.319 63.087,85.319 64.357,85.319 65.627,85.319 66.897,85.319 68.167,85.319 69.437,85.319 70.707,85.319 71.977,85.319 73.247,85.319 74.517,85.319 75.787,85.319 85.947,85.319 87.217,85.319 113.887,85.319 115.157,85.319 116.427,85.319 129.127,85.319 130.397,85.319 131.667,85.319 145.637,85.319 146.907,85.319 148.177,85.319 168.497,85.319 172.307,85.319 173.577,85.319 174.847,85.319 176.117,85.319 177.387,85.319 178.657,85.319 179.927,85.319 181.197,85.319 182.467,85.319 183.737,85.319 185.007,85.319 186.277,85.319 187.547,85.319 188.817,85.319 190.087,85.319 191.357,85.319 192.627,85.319 198.977,85.319 200.247,85.319 201.517,85.319 202.787,85.319 209.137,85.319 210.407,85.319 211.677,85.319 212.947,85.319 214.217,85.319 215.487,85.319 216.757,85.319 218.027,85.319 219.297,85.319 220.567,85.319 221.837,85.319 223.107,85.319 224.377,85.319 225.647,85.319 226.917,85.319 228.187,85.319 229.457,85.319 230.727,85.319 231.997,85.319 233.267,85.319 234.537,85.319 235.807,85.319 237.077,85.319 5.302,86.589 9.112,86.589 10.382,86.589 11.652,86.589 12.922,86.589 14.192,86.589 15.462,86.589 16.732,86.589 18.002,86.589 19.272,86.589 20.542,86.589 21.812,86.589 23.082,86.589 24.352,86.589 25.622,86.589 26.892,86.589 30.702,86.589 31.972,86.589 34.512,86.589 35.782,86.589 39.592,86.589 40.862,86.589 42.132,86.589 43.402,86.589 44.672,86.589 45.942,86.589 47.212,86.589 48.482,86.589 49.752,86.589 51.022,86.589 52.292,86.589 53.562,86.589 54.832,86.589 56.102,86.589 57.372,86.589 58.642,86.589 59.912,86.589 61.182,86.589 62.452,86.589 63.722,86.589 64.992,86.589 66.262,86.589 67.532,86.589 68.802,86.589 70.072,86.589 71.342,86.589 72.612,86.589 73.882,86.589 75.152,86.589 76.422,86.589 85.312,86.589 86.582,86.589 87.852,86.589 161.512,86.589 178.022,86.589 179.292,86.589 180.562,86.589 181.832,86.589 183.102,86.589 184.372,86.589 185.642,86.589 186.912,86.589 188.182,86.589 189.452,86.589 190.722,86.589 191.992,86.589 193.262,86.589 200.882,86.589 202.152,86.589 203.422,86.589 209.772,86.589 211.042,86.589 212.312,86.589 213.582,86.589 214.852,86.589 216.122,86.589 217.392,86.589 218.662,86.589 219.932,86.589 221.202,86.589 222.472,86.589 223.742,86.589 225.012,86.589 226.282,86.589 227.552,86.589 228.822,86.589 230.092,86.589 231.362,86.589 232.632,86.589 233.902,86.589 235.172,86.589 236.442,86.589 5.937,87.859 7.207,87.859 8.477,87.859 9.747,87.859 11.017,87.859 12.287,87.859 13.557,87.859 14.827,87.859 16.097,87.859 17.367,87.859 18.637,87.859 19.907,87.859 21.177,87.859 22.447,87.859 23.717,87.859 24.987,87.859 26.257,87.859 30.067,87.859 31.337,87.859 35.147,87.859 38.957,87.859 40.227,87.859 41.497,87.859 42.767,87.859 46.577,87.859 47.847,87.859 51.657,87.859 52.927,87.859 54.197,87.859 55.467,87.859 56.737,87.859 58.007,87.859 59.277,87.859 60.547,87.859 61.817,87.859 63.087,87.859 64.357,87.859 65.627,87.859 66.897,87.859 68.167,87.859 69.437,87.859 70.707,87.859 71.977,87.859 73.247,87.859 74.517,87.859 75.787,87.859 84.677,87.859 85.947,87.859 87.217,87.859 88.487,87.859 159.607,87.859 160.877,87.859 162.147,87.859 167.227,87.859 168.497,87.859 169.767,87.859 171.037,87.859 172.307,87.859 173.577,87.859 174.847,87.859 176.117,87.859 179.927,87.859 181.197,87.859 182.467,87.859 183.737,87.859 185.007,87.859 186.277,87.859 187.547,87.859 188.817,87.859 190.087,87.859 191.357,87.859 192.627,87.859 193.897,87.859 195.167,87.859 201.517,87.859 202.787,87.859 205.327,87.859 210.407,87.859 211.677,87.859 212.947,87.859 214.217,87.859 215.487,87.859 216.757,87.859 218.027,87.859 219.297,87.859 220.567,87.859 221.837,87.859 223.107,87.859 224.377,87.859 225.647,87.859 226.917,87.859 228.187,87.859 229.457,87.859 230.727,87.859 231.997,87.859 233.267,87.859 234.537,87.859 235.807,87.859 237.077,87.859 10.382,89.129 11.652,89.129 12.922,89.129 14.192,89.129 15.462,89.129 16.732,89.129 18.002,89.129 19.272,89.129 20.542,89.129 21.812,89.129 23.082,89.129 24.352,89.129 25.622,89.129 26.892,89.129 30.702,89.129 31.972,89.129 34.512,89.129 35.782,89.129 39.592,89.129 40.862,89.129 42.132,89.129 52.292,89.129 53.562,89.129 54.832,89.129 56.102,89.129 57.372,89.129 58.642,89.129 59.912,89.129 61.182,89.129 62.452,89.129 63.722,89.129 64.992,89.129 66.262,89.129 67.532,89.129 68.802,89.129 70.072,89.129 71.342,89.129 72.612,89.129 73.882,89.129 75.152,89.129 76.422,89.129 81.502,89.129 85.312,89.129 86.582,89.129 87.852,89.129 89.122,89.129 90.392,89.129 91.662,89.129 184.372,89.129 185.642,89.129 186.912,89.129 188.182,89.129 189.452,89.129 190.722,89.129 191.992,89.129 193.262,89.129 194.532,89.129 195.802,89.129 203.422,89.129 205.962,89.129 211.042,89.129 212.312,89.129 213.582,89.129 214.852,89.129 216.122,89.129 217.392,89.129 218.662,89.129 219.932,89.129 221.202,89.129 222.472,89.129 223.742,89.129 225.012,89.129 226.282,89.129 227.552,89.129 228.822,89.129 230.092,89.129 231.362,89.129 232.632,89.129 233.902,89.129 235.172,89.129 236.442,89.129 11.017,90.399 12.287,90.399 13.557,90.399 14.827,90.399 16.097,90.399 17.367,90.399 18.637,90.399 19.907,90.399 21.177,90.399 22.447,90.399 23.717,90.399 24.987,90.399 26.257,90.399 30.067,90.399 31.337,90.399 35.147,90.399 38.957,90.399 40.227,90.399 41.497,90.399 42.767,90.399 64.357,90.399 65.627,90.399 66.897,90.399 68.167,90.399 69.437,90.399 70.707,90.399 71.977,90.399 73.247,90.399 74.517,90.399 75.787,90.399 77.057,90.399 78.327,90.399 79.597,90.399 80.867,90.399 84.677,90.399 85.947,90.399 87.217,90.399 88.487,90.399 89.757,90.399 91.027,90.399 186.277,90.399 187.547,90.399 188.817,90.399 190.087,90.399 191.357,90.399 192.627,90.399 193.897,90.399 195.167,90.399 196.437,90.399 197.707,90.399 205.327,90.399 207.867,90.399 211.677,90.399 212.947,90.399 214.217,90.399 215.487,90.399 216.757,90.399 218.027,90.399 219.297,90.399 220.567,90.399 221.837,90.399 223.107,90.399 224.377,90.399 225.647,90.399 226.917,90.399 228.187,90.399 229.457,90.399 230.727,90.399 231.997,90.399 233.267,90.399 234.537,90.399 235.807,90.399 237.077,90.399 10.382,91.669 11.652,91.669 12.922,91.669 14.192,91.669 15.462,91.669 16.732,91.669 18.002,91.669 19.272,91.669 20.542,91.669 21.812,91.669 23.082,91.669 24.352,91.669 25.622,91.669 26.892,91.669 30.702,91.669 31.972,91.669 34.512,91.669 35.782,91.669 39.592,91.669 40.862,91.669 42.132,91.669 63.722,91.669 64.992,91.669 66.262,91.669 67.532,91.669 68.802,91.669 70.072,91.669 71.342,91.669 72.612,91.669 73.882,91.669 75.152,91.669 76.422,91.669 77.692,91.669 78.962,91.669 80.232,91.669 85.312,91.669 86.582,91.669 87.852,91.669 89.122,91.669 90.392,91.669 91.662,91.669 186.912,91.669 188.182,91.669 189.452,91.669 190.722,91.669 191.992,91.669 193.262,91.669 194.532,91.669 195.802,91.669 197.072,91.669 198.342,91.669 205.962,91.669 208.502,91.669 212.312,91.669 213.582,91.669 214.852,91.669 216.122,91.669 217.392,91.669 218.662,91.669 219.932,91.669 221.202,91.669 222.472,91.669 223.742,91.669 225.012,91.669 226.282,91.669 227.552,91.669 228.822,91.669 230.092,91.669 231.362,91.669 232.632,91.669 233.902,91.669 235.172,91.669 236.442,91.669 26.257,92.939 30.067,92.939 31.337,92.939 35.147,92.939 38.957,92.939 40.227,92.939 41.497,92.939 42.767,92.939 64.357,92.939 65.627,92.939 66.897,92.939 68.167,92.939 69.437,92.939 70.707,92.939 71.977,92.939 73.247,92.939 74.517,92.939 75.787,92.939 77.057,92.939 78.327,92.939 79.597,92.939 84.677,92.939 85.947,92.939 87.217,92.939 88.487,92.939 89.757,92.939 91.027,92.939 188.817,92.939 190.087,92.939 191.357,92.939 192.627,92.939 193.897,92.939 195.167,92.939 196.437,92.939 197.707,92.939 198.977,92.939 200.247,92.939 207.867,92.939 210.407,92.939 212.947,92.939 214.217,92.939 215.487,92.939 216.757,92.939 218.027,92.939 219.297,92.939 220.567,92.939 221.837,92.939 223.107,92.939 224.377,92.939 225.647,92.939 226.917,92.939 228.187,92.939 229.457,92.939 230.727,92.939 231.997,92.939 233.267,92.939 234.537,92.939 235.807,92.939 237.077,92.939 30.702,94.209 31.972,94.209 35.782,94.209 39.592,94.209 40.862,94.209 42.132,94.209 52.292,94.209 53.562,94.209 54.832,94.209 56.102,94.209 57.372,94.209 58.642,94.209 61.182,94.209 62.452,94.209 63.722,94.209 64.992,94.209 66.262,94.209 67.532,94.209 68.802,94.209 70.072,94.209 71.342,94.209 72.612,94.209 73.882,94.209 75.152,94.209 76.422,94.209 77.692,94.209 82.772,94.209 84.042,94.209 85.312,94.209 86.582,94.209 87.852,94.209 89.122,94.209 90.392,94.209 91.662,94.209 189.452,94.209 190.722,94.209 191.992,94.209 193.262,94.209 194.532,94.209 195.802,94.209 197.072,94.209 198.342,94.209 199.612,94.209 200.882,94.209 208.502,94.209 211.042,94.209 213.582,94.209 214.852,94.209 216.122,94.209 217.392,94.209 218.662,94.209 219.932,94.209 221.202,94.209 222.472,94.209 223.742,94.209 225.012,94.209 226.282,94.209 227.552,94.209 228.822,94.209 230.092,94.209 231.362,94.209 232.632,94.209 233.902,94.209 235.172,94.209 236.442,94.209 30.067,95.479 31.337,95.479 32.607,95.479 38.957,95.479 40.227,95.479 41.497,95.479 42.767,95.479 45.307,95.479 46.577,95.479 47.847,95.479 50.387,95.479 51.657,95.479 52.927,95.479 54.197,95.479 55.467,95.479 56.737,95.479 61.817,95.479 63.087,95.479 64.357,95.479 65.627,95.479 66.897,95.479 68.167,95.479 69.437,95.479 70.707,95.479 71.977,95.479 73.247,95.479 74.517,95.479 75.787,95.479 77.057,95.479 82.137,95.479 83.407,95.479 84.677,95.479 85.947,95.479 87.217,95.479 88.487,95.479 89.757,95.479 91.027,95.479 191.357,95.479 192.627,95.479 193.897,95.479 195.167,95.479 196.437,95.479 197.707,95.479 198.977,95.479 200.247,95.479 201.517,95.479 202.787,95.479 210.407,95.479 212.947,95.479 214.217,95.479 215.487,95.479 216.757,95.479 218.027,95.479 219.297,95.479 220.567,95.479 221.837,95.479 223.107,95.479 224.377,95.479 225.647,95.479 226.917,95.479 228.187,95.479 229.457,95.479 230.727,95.479 231.997,95.479 233.267,95.479 234.537,95.479 235.807,95.479 237.077,95.479 30.702,96.749 35.782,96.749 39.592,96.749 40.862,96.749 43.402,96.749 44.672,96.749 45.942,96.749 47.212,96.749 48.482,96.749 49.752,96.749 51.022,96.749 52.292,96.749 53.562,96.749 54.832,96.749 56.102,96.749 61.182,96.749 62.452,96.749 63.722,96.749 64.992,96.749 66.262,96.749 67.532,96.749 68.802,96.749 70.072,96.749 71.342,96.749 72.612,96.749 73.882,96.749 75.152,96.749 80.232,96.749 81.502,96.749 82.772,96.749 84.042,96.749 85.312,96.749 86.582,96.749 87.852,96.749 89.122,96.749 90.392,96.749 91.662,96.749 191.992,96.749 193.262,96.749 194.532,96.749 195.802,96.749 197.072,96.749 198.342,96.749 199.612,96.749 200.882,96.749 202.152,96.749 203.422,96.749 211.042,96.749 213.582,96.749 214.852,96.749 216.122,96.749 217.392,96.749 218.662,96.749 219.932,96.749 221.202,96.749 222.472,96.749 223.742,96.749 225.012,96.749 226.282,96.749 227.552,96.749